# Altium PCB TopBoard.PcbDoc (part 1 of 3)
Units mm, origin at the board's own origin, x right, y up, seen from the top; angles counter-clockwise.
Board outline 84 x 56 mm, 4 copper layers (Top Layer, Int2 (Sign), Int3 (Sign), Bottom Layer), stack 1.624 mm thick; 112 components, 151 nets, 714 pads, 419 vias.
Unrouted connection lines stored in the file: 1.
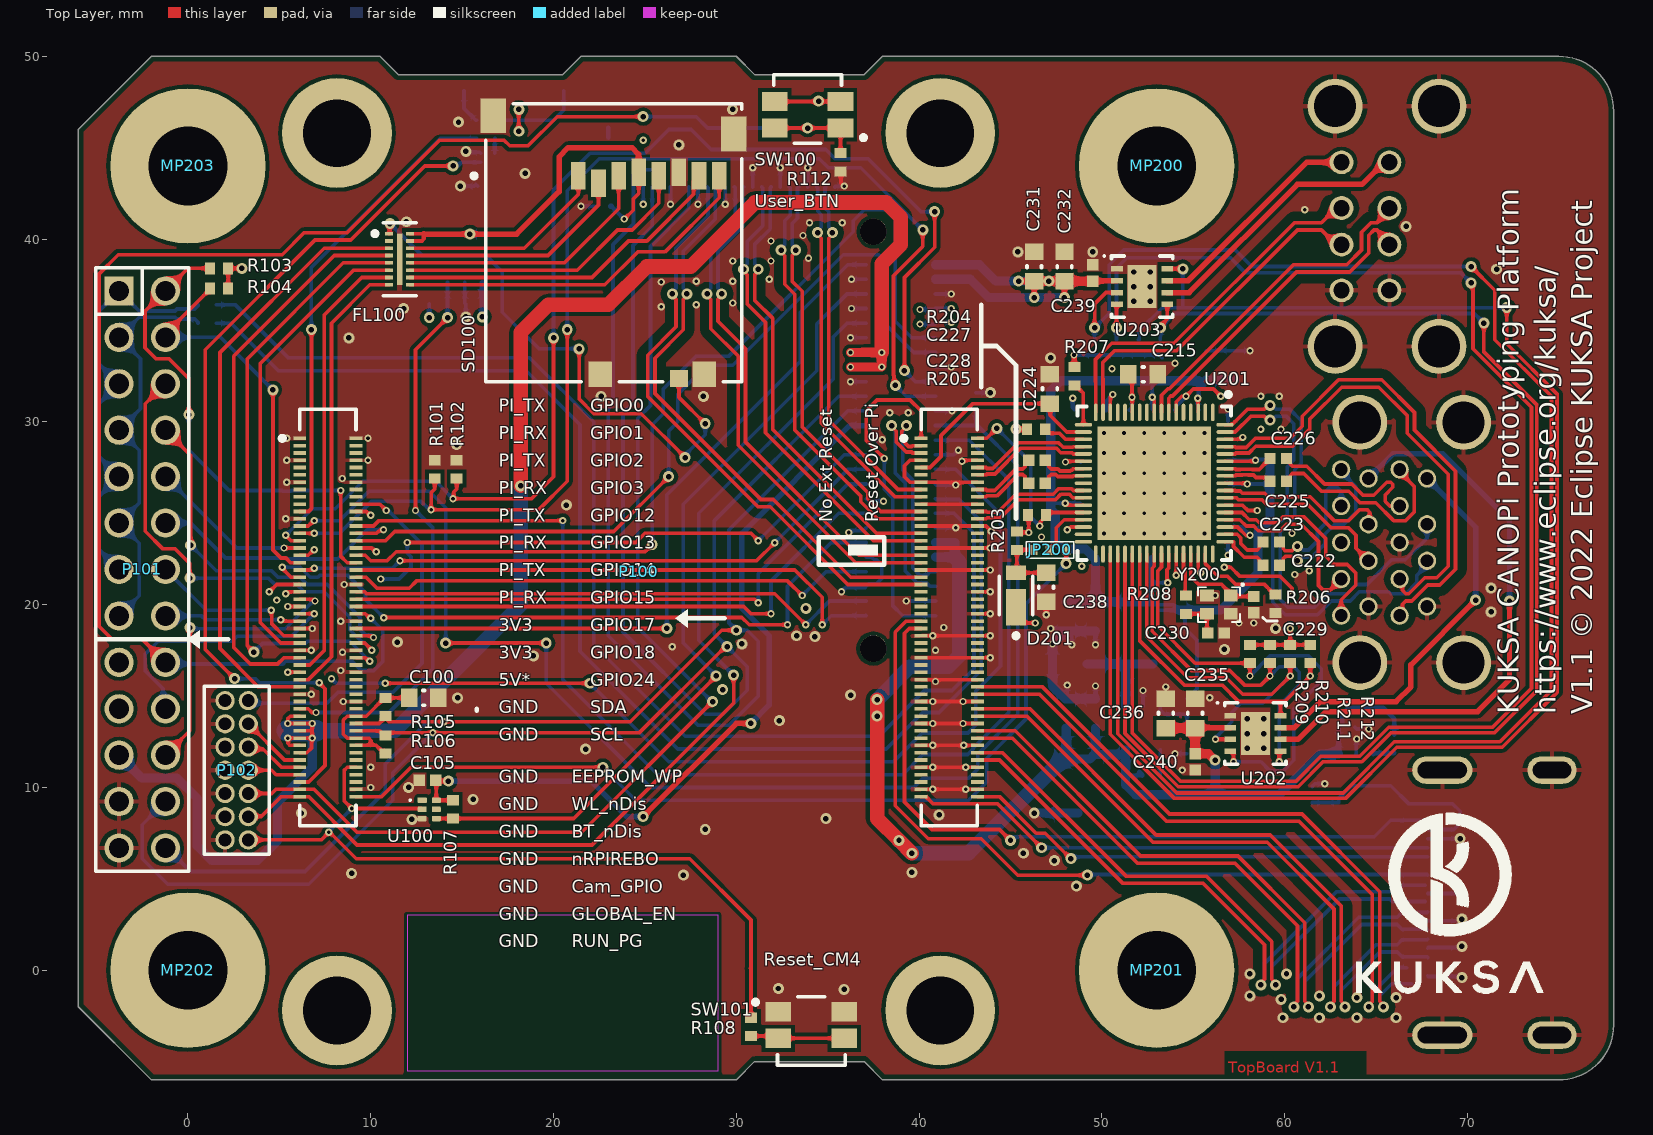
[diagram p0: Top Layer view]
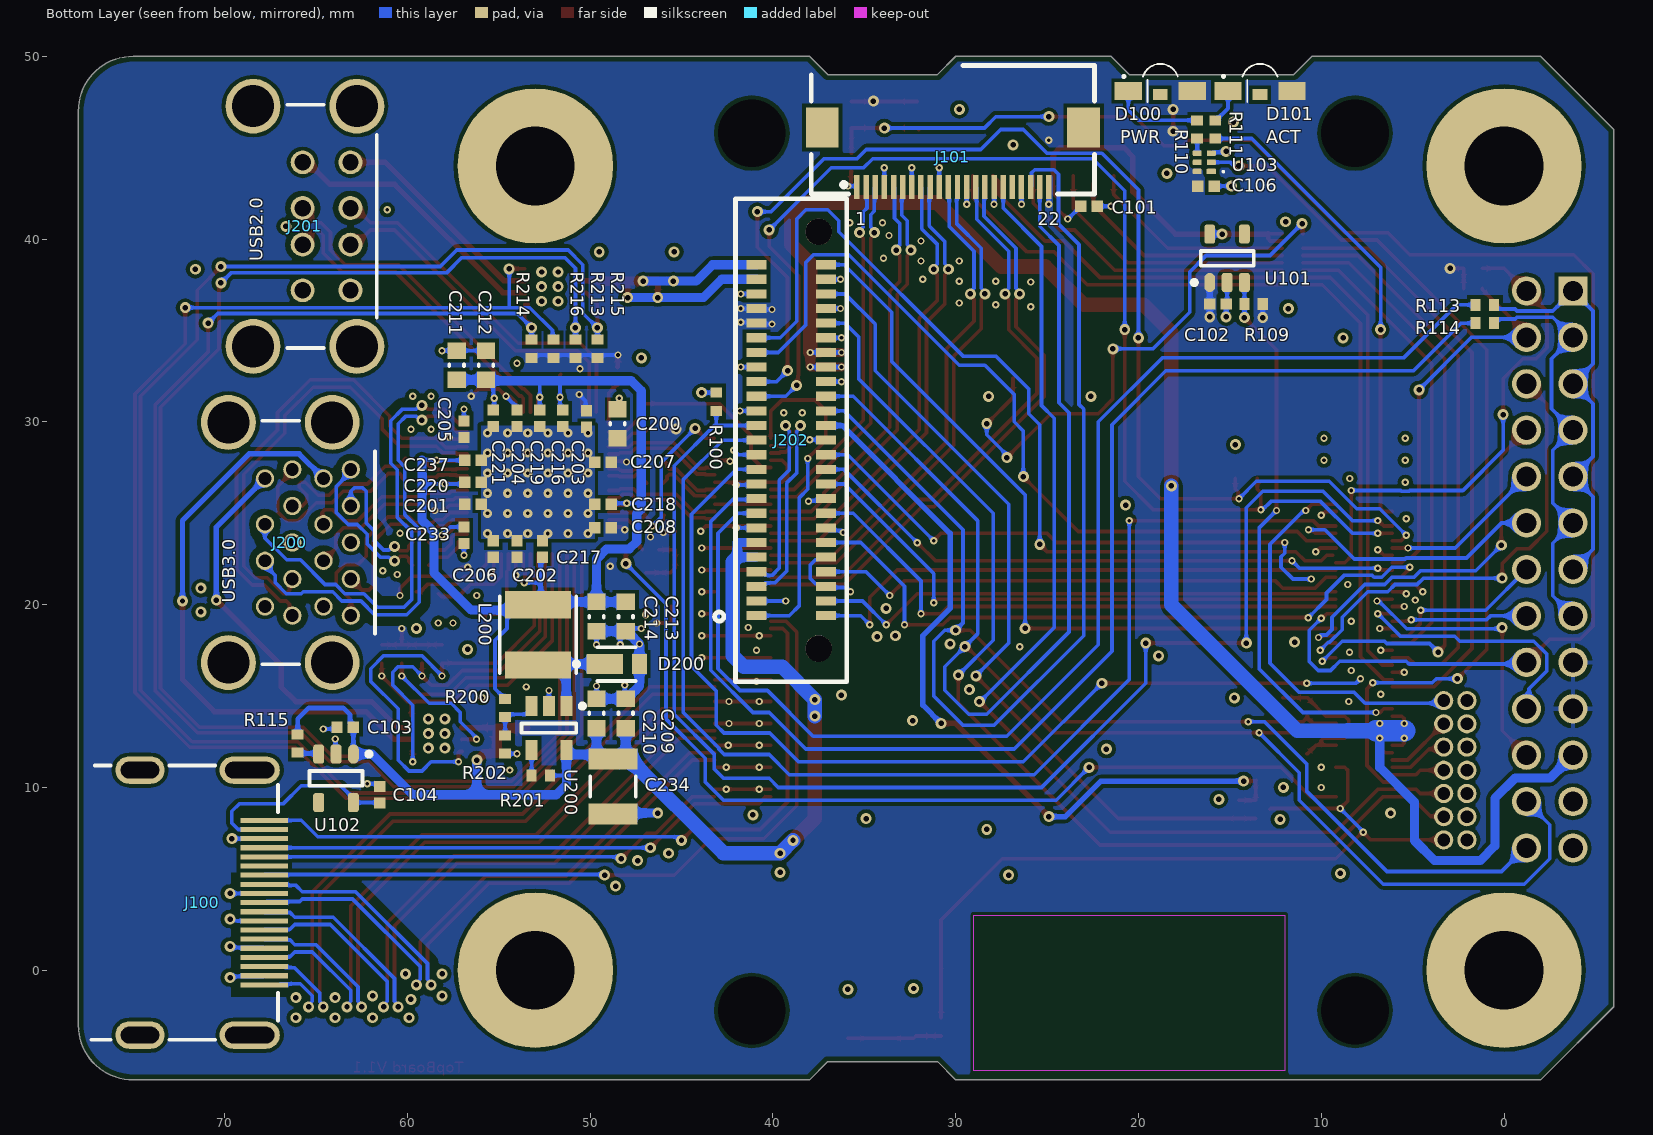
[diagram p1: Bottom Layer view, seen from below]
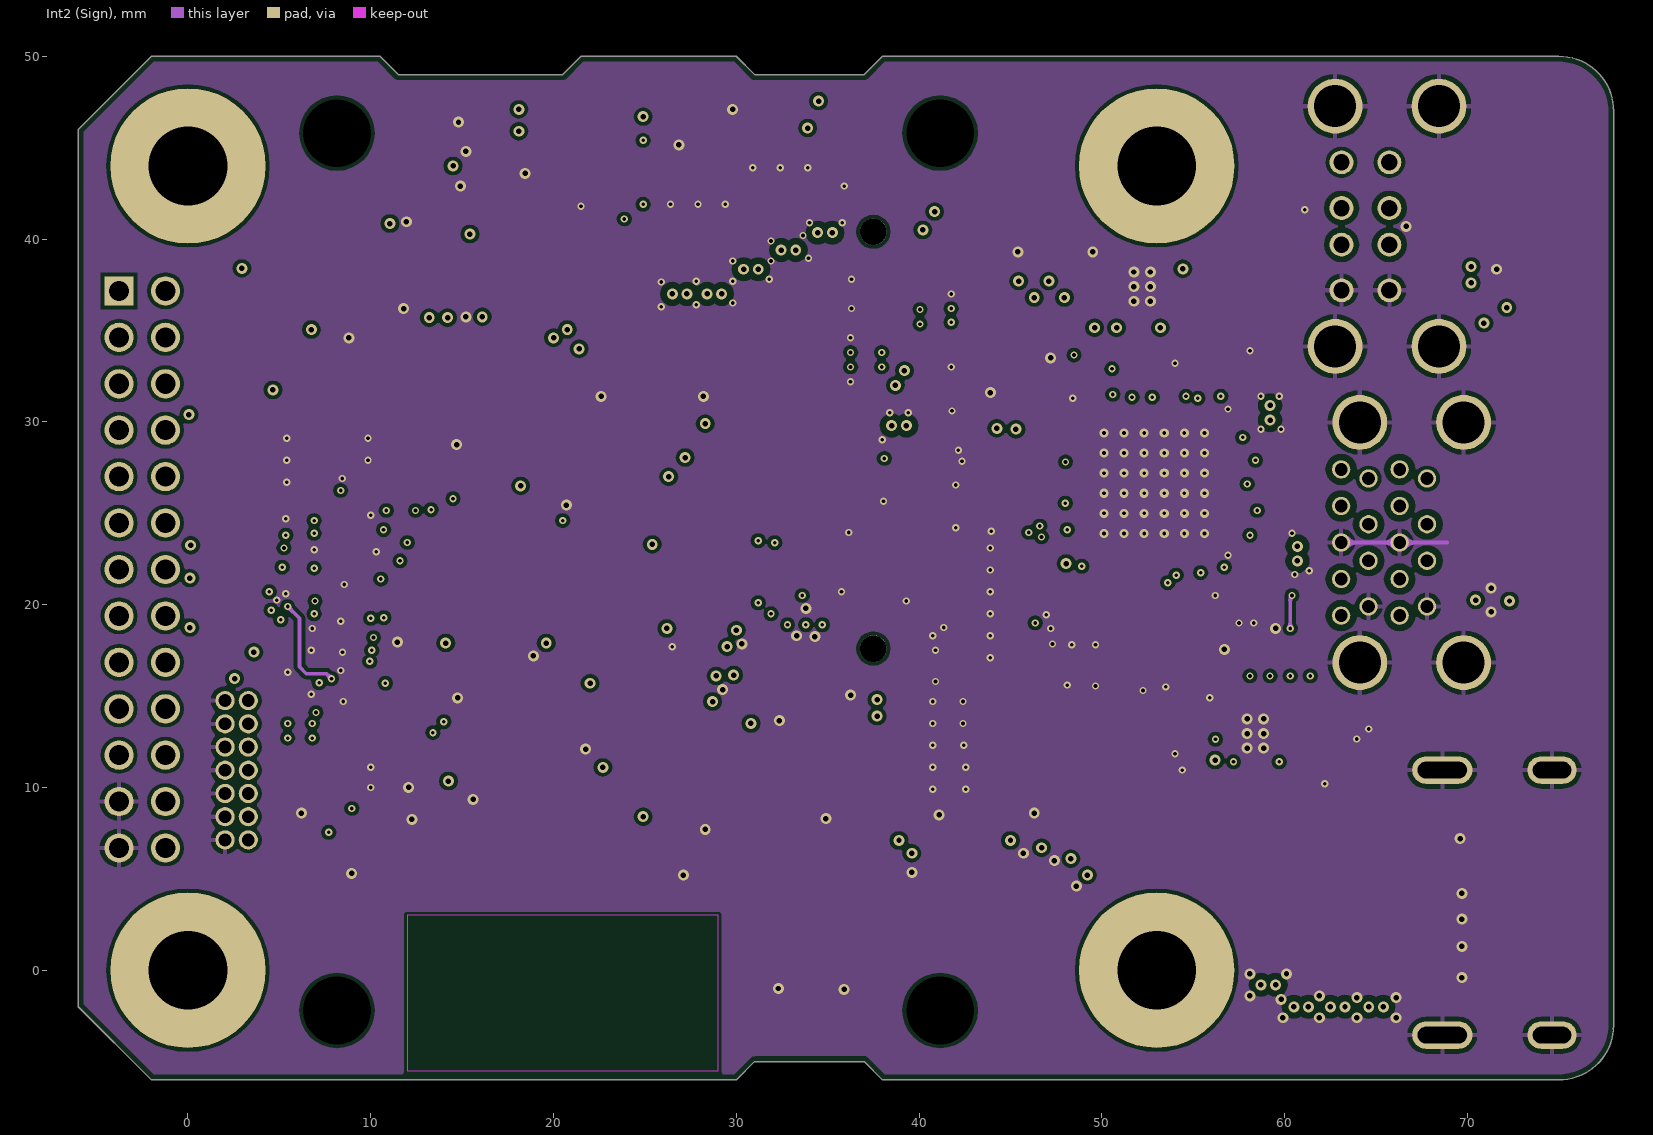
[diagram p2: Int2 (Sign)]
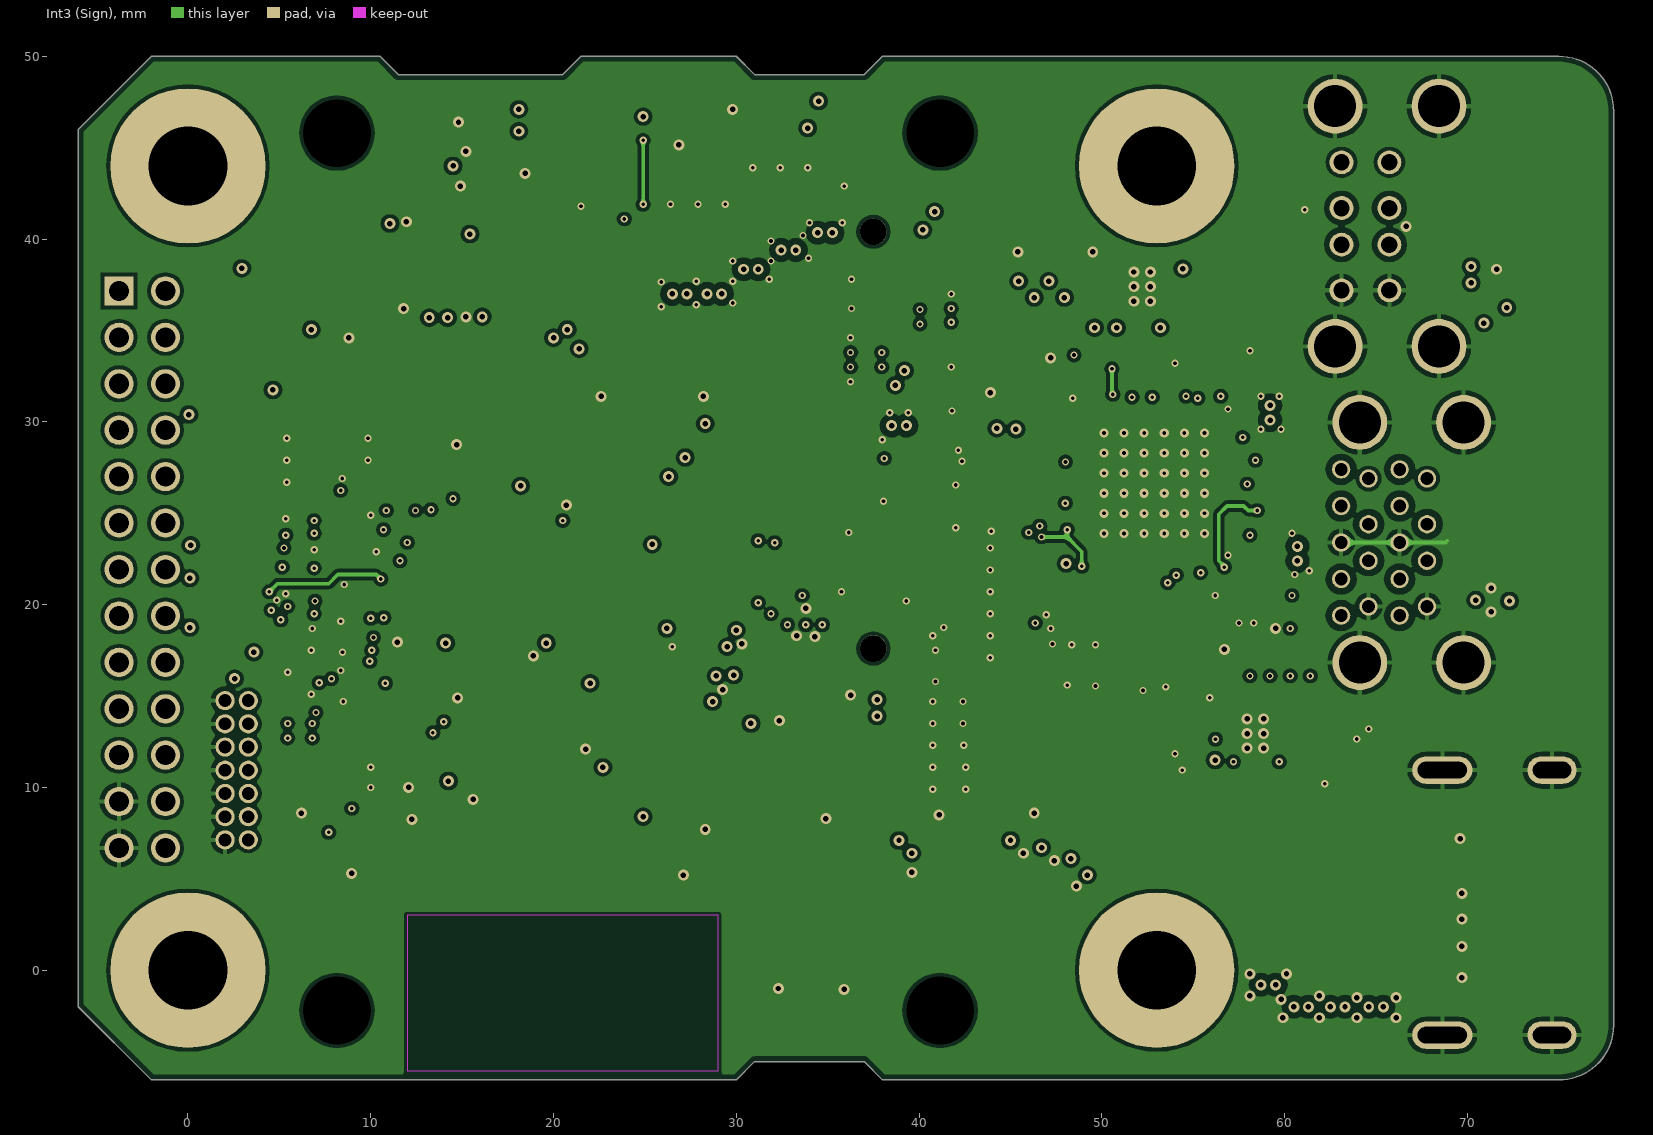
[diagram p3: Int3 (Sign)]

## Layer stack, top to bottom
Top Solder: solder mask 0.0254, SM-001, Dk 4
Top Layer: signal copper 0.035
Dielectric 2: prepreg 0.0711, PP-006, Dk 3.95
Dielectric 3: prepreg 0.0711, PP-006, Dk 3.95
Int2 (Sign): signal copper 0.035
Dielectric 1: core 1.2, Core-009, Dk 4.6
Int3 (Sign): signal copper 0.035
Dielectric 7: prepreg 0.0711, PP-006, Dk 3.95
Dielectric 4: prepreg 0.0711, PP-006, Dk 3.95
Bottom Layer: signal copper 0.035
Bottom Solder: solder mask 0.0254, SM-001, Dk 4

## Board outline
-6,-2 -6,46 -2,50 10.5,50 11.5,49 20.5,49 21.5,50 30,50 31,49 37,49 38,50 75,50 cw(c75,47) 78,47 78,-3 cw(c75,-3) 75,-6 38,-6 37,-5 31,-5 30,-6 -2,-6

## Design rules (kind name [scope] priority, off if disabled: settings)
BoardOutlineClearance [All] p1: gap=0.3 ignorepadtopadclearanceinfootprint=FALSE
Clearance Clearance_1 [InNetClass('USB_STATUS')] p1: gap=0.12 ignorepadtopadclearanceinfootprint=FALSE
Clearance Clearance_2 [(InDifferentialPairClass('DiffPairWithGap'))] p2: gap=0.5 ignorepadtopadclearanceinfootprint=FALSE except(0.2: THPad-Poly Via-Poly)
Clearance [All] p3: gap=0.2 ignorepadtopadclearanceinfootprint=TRUE except(0.1: Track-Track)
DiffPairsRouting DiffPairs_90 [All] p1: maxlimit=0.25 minlimit=0.15 mostfreqgap=0.2 toplayer_minwidth=0.15 toplayer_maxwidth=0.25 toplayer_prefwidth=0.2 midlayer1_minwidth=0.15 midlayer1_maxwidth=0.25 midlayer1_prefwidth=0.2 midlayer2_minwidth=0.15 midlayer2_maxwidth=0.25 midlayer2_prefwidth=0.2 bottomlayer_minwidth=0.15 bottomlayer_maxwidth=0.25 bottomlayer_prefwidth=0.2 maxuncoupledlength=12.7
HoleSize [All] p1: absolutevalues=TRUE maxlimit=5 minlimit=0.025 maxpercent=80.000 minpercent=20.000
MatchedLengths [All] p1: tolerance=1 checknetsindiffpair=TRUE checkdiffpairvsdiffpair=FALSE checkxsignals=FALSE checkothers=FALSE
MinimumSolderMaskSliver [All] p1: minsoldermaskwidth=0.05
PlaneClearance PlaneClearance_1 [All] p1: clearance=0.3
PlaneConnect PlaneConnect_1 [InPadClass('THT_ReliefConnect')] p1: planeconnectstyle=Relief reliefexpansion=0.508 reliefentries=4 reliefconductorwidth=0.254 reliefairgap=0.254
PlaneConnect [All] p2: planeconnectstyle=Direct reliefexpansion=0.508 reliefentries=4 reliefconductorwidth=0.254 reliefairgap=0.254
PolygonConnect PolygonConnect_1 [InPadClass('THT_ReliefConnect')] p1: connectstyle=Relief reliefconductorwidth=0.254 reliefentries=4 polygonreliefangle="90 Angle" airgapwidth=0.254
PolygonConnect [All] p2: connectstyle=Direct reliefconductorwidth=0.254 reliefentries=4 polygonreliefangle="90 Angle" airgapwidth=0.254
RoomDefinition PiOBD_CM4_USB3 [InComponentClass('PiOBD_CM4_USB3')] p1: confinementstyle=ConfineIn formatcopy=TRUE lockcomponents=FALSE outline 59.7,63.1 80.6,63.1 80.6,54.3 59.7,54.3
RoomDefinition PiOBD_CM4_Pi [InComponentClass('PiOBD_CM4_Pi')] p2: confinementstyle=ConfineIn formatcopy=TRUE lockcomponents=FALSE outline -5.4,63.1 38.7,63.1 38.7,54.154 -5.4,54.154
RoutingVias RoutingVias_1 [All] p1: holewidth=0.3 width=0.6 viastyle="Through Hole" minholewidth=0.2 minwidth=0.4 maxholewidth=0.3 maxwidth=0.6
RoutingVias [All] p2: holewidth=0.711 width=1.27 viastyle="Through Hole" minholewidth=0.711 minwidth=1.27 maxholewidth=0.711 maxwidth=1.27
SilkToSolderMaskClearance [IsPad] p1: minsilkscreentomaskgap=0.15 clearancetoexposedcopper=TRUE
SolderMaskExpansion [All] p1: expansion=0.05
Width [All] p1: maxlimit=1.5 minlimit=0.2 preferedwidth=0.254
24 further rules are at their usual default settings.

## Classes and differential pairs
differential pair class DiffPairWithGap: CAM1_C CAM1_D0 CAM1_D1 CAM1_D2 CAM1_D3 HDMI0_CK HDMI0_D0 HDMI0_D1 HDMI0_D2 PCIe_CLK PCIe_RX PCIe_TX PEXTX SSRX1 SSRX2 SSTX1 SSTX1_HUB SSTX2 SSTX2_HUB USB2D1 USB2D2 USB2D3 USB2D4 USB_UP
pad class THT_ReliefConnect: J100-1 J100-2 J100-3 J100-4 J100-5 J100-6 J100-7 J100-8 J100-9 J100-10 J100-11 J100-12 J100-13 J100-14 J100-15 J100-16 J100-17 J100-18 J100-19 J100-Shell J200-1 J200-2 J200-3 J200-4 J200-5 J200-6 J200-7 J200-8 J200-9 J200-10 J200-11 J200-12 J200-13 J200-14 J200-15 J200-16 J200-17 J200-18 J200-19 J201-1 J201-2 J201-3 J201-4 J201-5 J201-6 J201-7 J201-8 J201-9 P101-1 P101-2 P101-3 P101-4 P101-5 P101-6 P101-7 P101-8 P101-9 P101-10 P101-11 P101-12 P101-13 P101-14 P101-15 P101-16 P101-17 P101-18 P101-19 P101-20 P101-21 P101-22 P101-23 P101-24 P101-25 P101-26 P102-1 P102-2 P102-3 P102-4 P102-5 P102-6 P102-7 P102-8 P102-9 P102-10 P102-11 P102-12 P102-13 P102-14
component class PiOBD_CM4_USB3: C200 C201 C202 C203 C204 C205 C206 C207 C208 C209 C210 C211 C212 C213 C214 C215 C216 C217 C218 C219 C220 C221 C222 C223 C224 C225 C226 C227 C228 C229 C230 C231 C232 C233 C234 C235 C236 C237 C238 C239 C240 D200 D201 J200 J201 J202 JP200 L200 MP200 MP201 MP202 MP203 R200 R201 R202 R203 R204 R205 R206 R207 R208 R209 R210 R211 R212 R213 R214 R215 R216 U200 U201 U202 U203 Y200
component class PiOBD_CM4_Pi: C100 C101 C102 C103 C104 C105 C106 D100 D101 FL100 J100 J101 P100 P101 P102 R100 R101 R102 R103 R104 R105 R106 R107 R108 R109 R110 R111 R112 R113 R114 R115 SD100 SW100 SW101 U100 U101 U102 U103
differential pair CAM1_D3: +CAM1_D3_P -CAM1_D3_N
differential pair CAM1_D2: +CAM1_D2_P -CAM1_D2_N
differential pair CAM1_D1: +CAM1_D1_P -CAM1_D1_N
differential pair CAM1_D0: +CAM1_D0_P -CAM1_D0_N
differential pair CAM1_C: +CAM1_C_P -CAM1_C_N
differential pair SSTX2_HUB: +SSTX2_HUB_P -SSTX2_HUB_N
differential pair SSTX1_HUB: +SSTX1_HUB_P -SSTX1_HUB_N
differential pair PEXTX: +PEXTX_P -PEXTX_N
differential pair USB_UP: +USB_UP_P -USB_UP_N
differential pair PCIe_TX: +PCIe_TX_P -PCIe_TX_N
differential pair PCIe_RX: +PCIe_RX_P -PCIe_RX_N
differential pair PCIe_CLK: +PCIe_CLK_P -PCIe_CLK_N
differential pair USB2D4: +USB2D4_P -USB2D4_N
differential pair USB2D3: +USB2D3_P -USB2D3_N
differential pair USB2D2: +USB2D2_P -USB2D2_N
differential pair USB2D1: +USB2D1_P -USB2D1_N
differential pair SSTX2: +SSTX2_P -SSTX2_N
differential pair SSTX1: +SSTX1_P -SSTX1_N
differential pair SSRX2: +SSRX2_P -SSRX2_N
differential pair SSRX1: +SSRX1_P -SSRX1_N
differential pair HDMI0_D2: +HDMI0_D2_P -HDMI0_D2_N
differential pair HDMI0_D1: +HDMI0_D1_P -HDMI0_D1_N
differential pair HDMI0_D0: +HDMI0_D0_P -HDMI0_D0_N
differential pair HDMI0_CK: +HDMI0_CK_P -HDMI0_CK_N

## Components (designator, comment, footprint, x,y, rotation, side; value= is the part's Value field where it differs from the comment)
C100 "CAP 0603 1u -10% +10% 10V X7R" "CAP 0603 [1608 Metric] X080 N" 12.9,14.9 r0 top value=1µF
C101 "CAP 0402 100n -10% +10% 6.3V X7R" "CAP 0402 [1005 Metric] X050 N" 22.7,41.8 r0 bottom value=100nF
C102 "CAP 0402 100n -10% +10% 6.3V X7R" "CAP 0402 [1005 Metric] X050 N" 15.65,36.45 r0 bottom value=100nF
C103 "CAP 0402 100n -10% +10% 6.3V X7R" "CAP 0402 [1005 Metric] X050 N" 63.4,13.3 r180 bottom value=100nF
C104 "CAP 0402 100n -10% +10% 6.3V X7R" "CAP 0402 [1005 Metric] X050 N" 61.5,9.6 r270 bottom value=100nF
C105 "CAP 0402 100n -10% +10% 6.3V X7R" "CAP 0402 [1005 Metric] X050 N" 13.1,10.4 r0 top value=100nF
C106 "CAP 0402 100n -10% +10% 6.3V X7R" "CAP 0402 [1005 Metric] X050 N" 16.3,42.9 r0 bottom value=100nF
C200 "CAP 0603 10µF -20% +20% 6.3V X5R" "CAP 0603 [1608 Metric] X080 N" 48.5,29.9 r90 bottom value=10µF
C201 "CAP 0402 100n -10% +10% 6.3V X7R" "CAP 0402 [1005 Metric] X050 N" 56.4,25.5 r180 bottom value=100nF
C202 "CAP 0402 100n -10% +10% 6.3V X7R" "CAP 0402 [1005 Metric] X050 N" 54,23.05 r90 bottom value=100nF
C203 "CAP 0402 100n -10% +10% 6.3V X7R" "CAP 0402 [1005 Metric] X050 N" 50.2,30.15 r270 bottom value=100nF
C204 "CAP 0402 100n -10% +10% 6.3V X7R" "CAP 0402 [1005 Metric] X050 N" 54,30.2 r270 bottom value=100nF
C205 "CAP 0402 100n -10% +10% 6.3V X7R" "CAP 0402 [1005 Metric] X050 N" 56.9,29.6 r90 bottom value=100nF
C206 "CAP 0402 100n -10% +10% 6.3V X7R" "CAP 0402 [1005 Metric] X050 N" 55.3,23.05 r90 bottom value=100nF
C207 "CAP 0402 100n -10% +10% 6.3V X7R" "CAP 0402 [1005 Metric] X050 N" 49.3,27.8 r0 bottom value=100nF
C208 "CAP 0402 100n -10% +10% 6.3V X7R" "CAP 0402 [1005 Metric] X050 N" 49.3,24.2 r0 bottom value=100nF
C209 "CAP 0603 10µF -20% +20% 6.3V X5R" "CAP 0603 [1608 Metric] X080 N" 48.05,14.05 r90 bottom value=10µF
C210 "CAP 0603 10µF -20% +20% 6.3V X5R" "CAP 0603 [1608 Metric] X080 N" 49.65,14.05 r90 bottom value=10µF
C211 "CAP 0603 10µF -20% +20% 6.3V X5R" "CAP 0603 [1608 Metric] X080 N" 57.3,33.1 r90 bottom value=10µF
C212 "CAP 0603 10µF -20% +20% 6.3V X5R" "CAP 0603 [1608 Metric] X080 N" 55.7,33.1 r90 bottom value=10µF
C213 "CAP 0603 10µF -20% +20% 6.3V X5R" "CAP 0603 [1608 Metric] X080 N" 48.05,19.35 r270 bottom value=10µF
C214 "CAP 0603 10µF -20% +20% 6.3V X5R" "CAP 0603 [1608 Metric] X080 N" 49.65,19.35 r270 bottom value=10µF
C215 "CAP 0603 10µF -20% +20% 6.3V X5R" "CAP 0603 [1608 Metric] X080 N" 52.25,32.6 r0 top value=10µF
C216 "CAP 0402 100n -10% +10% 6.3V X7R" "CAP 0402 [1005 Metric] X050 N" 51.5,30.2 r270 bottom value=100nF
C217 "CAP 0402 100n -10% +10% 6.3V X7R" "CAP 0402 [1005 Metric] X050 N" 52.6,23.05 r90 bottom value=100nF
C218 "CAP 0402 100n -10% +10% 6.3V X7R" "CAP 0402 [1005 Metric] X050 N" 49.3,25.5 r0 bottom value=100nF
C219 "CAP 0402 100n -10% +10% 6.3V X7R" "CAP 0402 [1005 Metric] X050 N" 52.75,30.2 r270 bottom value=100nF
C220 "CAP 0402 100n -10% +10% 6.3V X7R" "CAP 0402 [1005 Metric] X050 N" 56.4,26.7 r180 bottom value=100nF
C221 "CAP 0402 100n -10% +10% 6.3V X7R" "CAP 0402 [1005 Metric] X050 N" 55.3,30.2 r270 bottom value=100nF
C222 "CAP 0402 100n -10% +10% 6.3V X7R" "CAP 0402 [1005 Metric] X050 N" 59.263,22.156 r180 top value=100nF